# KiCad board A64-OlinuXino_Rev_D.kicad_pcb (continued)
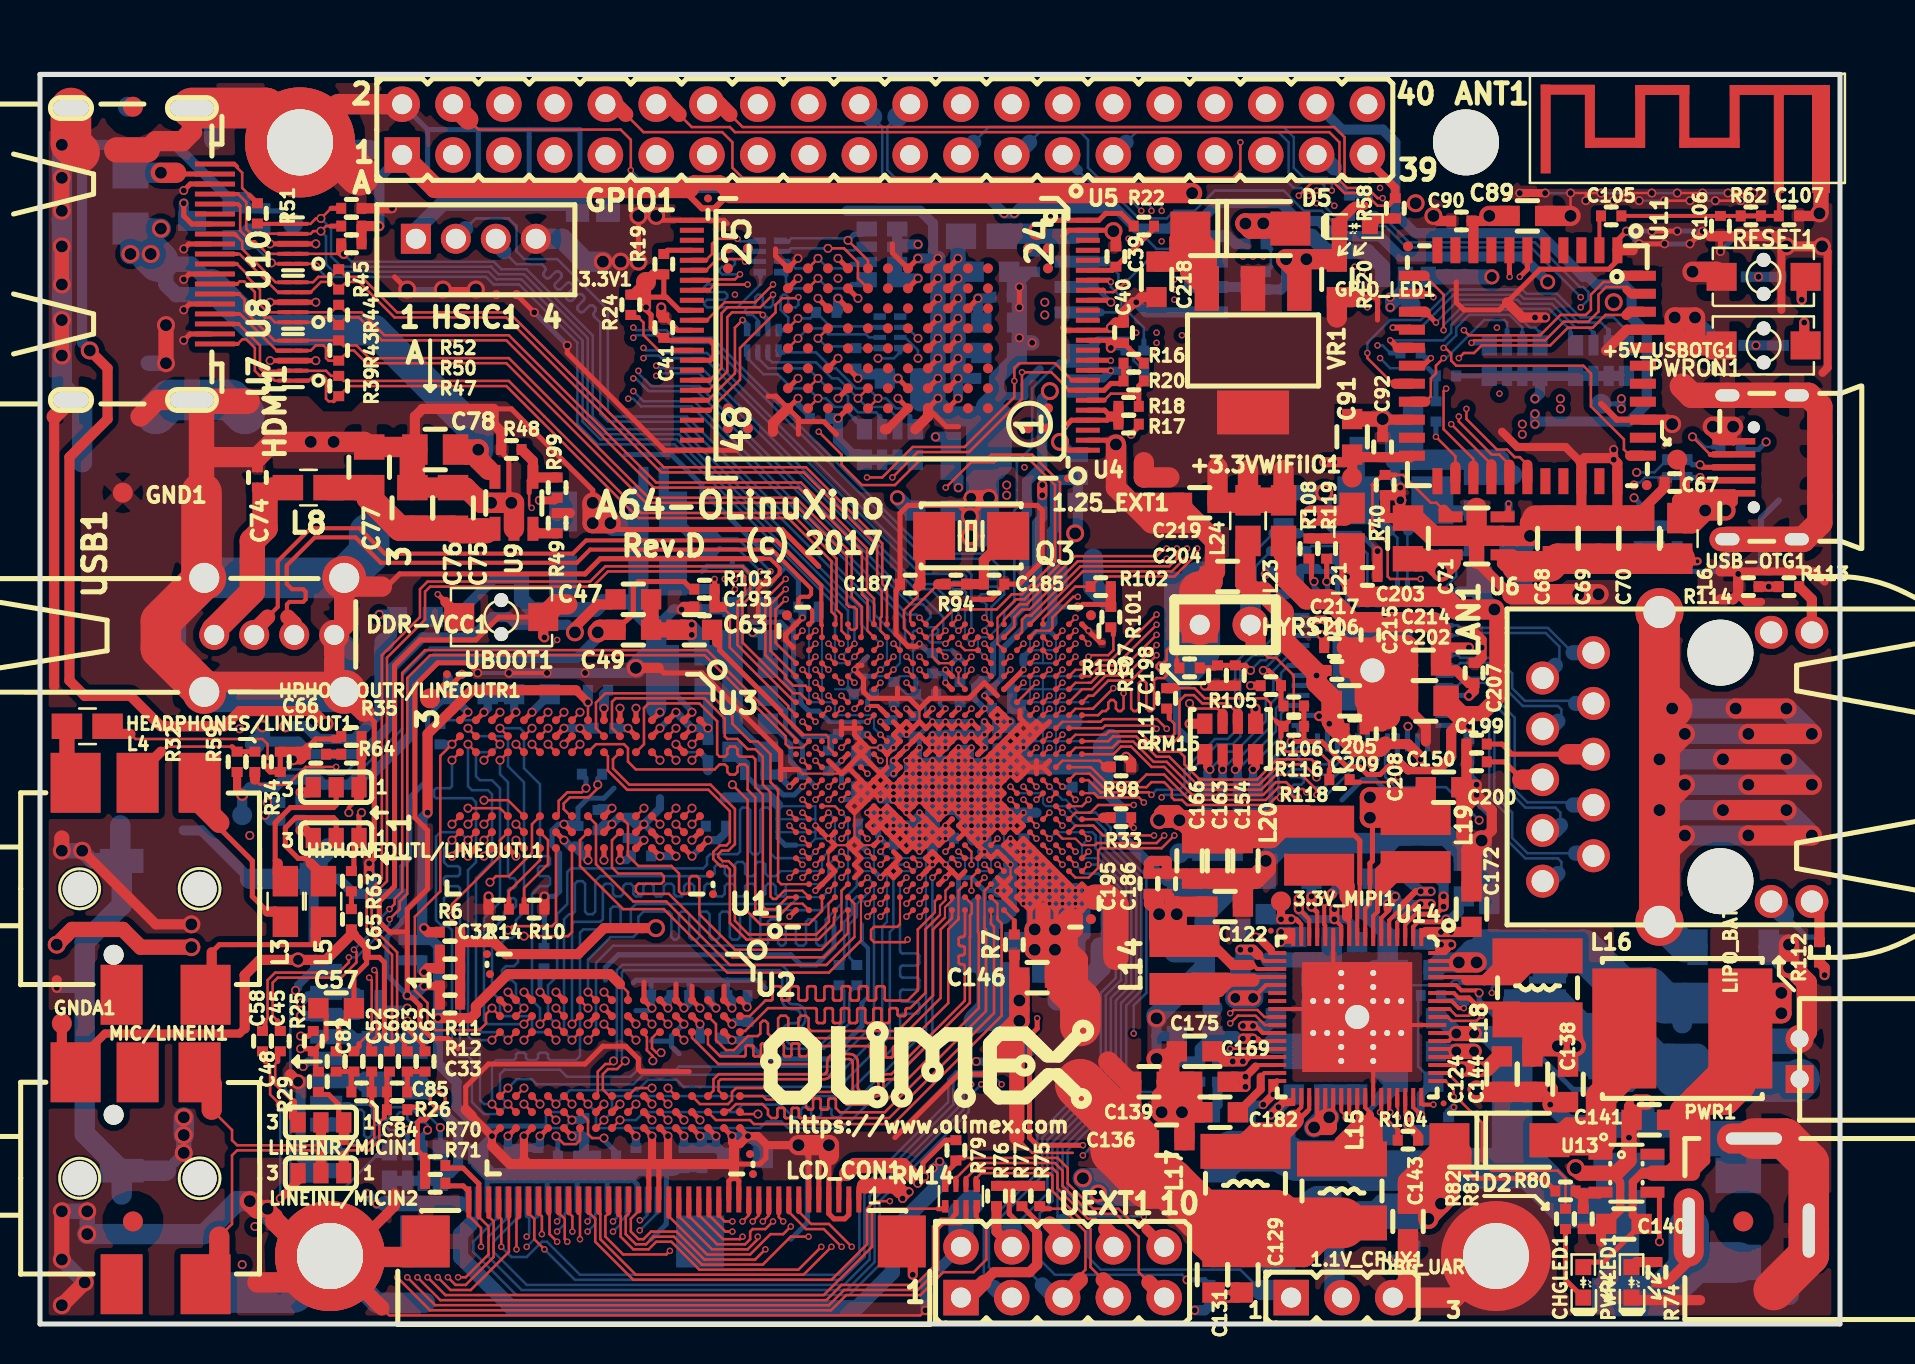
[diagram p0: board, top side]
## Routing (per net, layer and track width the routed paths; a pad name or vN(x,y) marks a point on that pad's centre or on a via; arc(x,y) is an arc through that point) (continued)
GNDA: length 113.9
  Top w0.254: 15.7,16.31 15.7,17.4 16.33,18.03 16.33,18.34 16.97,18.34 17.22,18.08 17.22,14.28 ; v3(18.36,15.16) 18.36,14.78 19.13,14.02 19.13,13.77 C62.2 ; C57.1 15.7,15.67 14.94,14.91 14.94,13.77 C48.1 ; 13.41,28.88 13.79,29.26 14.68,29.26 ; U1.A11 v5(37.47,26.88)
  Top w0.406: 1.53,12.81 3.25,14.53 9.98,14.53 10.24,14.78 ; 15.57,19.48 15.7,19.48 16.33,18.85 16.33,18.34 ; 14.68,29.26 14.94,29.26 R35.1 ; 13.41,28.88 13.16,28.63 C66.1 ; MIC/LINEIN1.2 1.78,12.81
  Top w0.508: 15.57,19.48 14.3,18.21 v1(12.9,18.21) 11,18.21 10.24,17.45 10.24,14.78 ; GNDA1.1 1.09,13.28 MIC/LINEIN1.2 ; v6(12.65,28.25) 13.03,28.25 C66.1 13.16,28.63 R34.1 ; 15.7,19.48 15.57,19.61 C65.1 ; C49.2 30.56,34.98 ; v3(32.59,34.98) 32.08,34.98 C63.2 32.08,34.47 v3(32.59,34.47) v3(32.59,34.98)
  Top w0.762: 30.56,34.98 C47.1 ; C63.2 C49.2
  In2.Cu w0.254: v3(18.36,15.16) 16.33,15.16 14.81,16.69 13.79,16.69 12.9,17.58 v1(12.9,18.21)
  In2.Cu w0.508: v6(12.65,28.25) 12.39,27.99 12.39,18.72 v1(12.9,18.21)
  In4.Cu w0.508: 31.76,34.98 32.27,34.47 v3(32.59,34.47) v3(32.59,34.98) 31.76,34.98 ; 31.76,34.98 31.13,35.61 25.48,35.61 23.19,33.33 18.87,33.33 17.98,32.44 17.98,30.9 16.34,29.26 13.69,29.26 12.68,28.25 v6(12.65,28.25)
  Bottom w0.254: 39.45,29.39 39.78,29.39 C46.2 ; 39.45,29.39 39.57,29.26 39.57,28.83 C50.1 ; 39.45,29.39 38.18,29.39 37.67,29.9 37.67,31.67 37.29,32.06 37.29,34.85 37.03,35.1 35.25,35.1 35,34.85 35,34.59 C54.1
  Bottom w0.305: C51.2 37.09,27.26 v5(37.47,26.88) ; 34.82,30.02 36.22,28.63 ; 36.14,28.63 C59.2 ; C53.2 34.75,30.02
  Bottom w0.508: C59.2 36.27,28.5 R27.2 37.07,27.48 C51.2 ; 32.59,34.34 33.22,33.71 R36.2 33.22,34.34 v3(32.59,34.98) v3(32.59,34.47) 32.59,34.34
  Bottom w1.016: R36.2 34.49,33.45 34.62,33.58 ; 34.62,33.58 C56.1 C55.2 C53.2 ; 34.62,33.58 C54.1
VBAT: length 28.2
  Top w0.203: v3(71.96,16.56) 71.83,16.69 71.07,16.69 70.8,16.95 U14.64
  Bottom w0.254: R78.2 79.58,11.73 76.66,11.73 75.01,13.39 75.01,14.53 74.24,15.29 72.85,15.29 71.96,16.18 v3(71.96,16.56)
  Bottom w1.016: C135.2 80.97,13.51 R78.2 81.36,13.51 82.88,13.51 83.39,13 83.39,12.37
  Bottom w1.524: R78.2 81.74,12.37
  Bottom w2.032: 81.74,12.37 83.39,12.37 83.64,12.12 C180.2 87.85,12.12 LIPO_BAT1.1
VCC-PC: length 96.3
  Top w0.254: v3(40.9,47.3) U5.L7 ; v3(37.9,52.3) U5.P3 ; U5.H3 v3(43.9,52.3) ; U5.L4 v3(39.9,51.3) ; U5.H8 v3(42.9,47.3) ; U5.L9 v3(39.9,45.3) ; U5.P8 v3(37.9,47.3) ; U5.L2 v3(39.9,53.3) ; U1.R16 v5(47.22,30.78)
  In2.Cu w0.305: 38.4,52.8 39.9,52.8
  In2.Cu w0.508: v3(50.24,51.1) 50.24,51.61 49.35,52.5 47.68,52.5 46.18,54 v3(43.9,54) 41.19,54 40.3,53.11 ; v3(50.24,51.1) v3(50.24,50.47) 50.88,50.47 ; v3(50.24,51.1) 50.88,50.47 ; 40.3,53.11 40.3,53.3 40.3,52.7 v3(39.9,52.3) v3(39.9,53.3) 40.49,53.3 40.3,53.11 ; 50.88,50.47 55.07,50.47 55.32,50.22 66.62,50.22 67.26,50.85 v3(67.51,50.85) v3(67.51,51.36) ; v3(37.9,52.3) 38.4,52.8
  In3.Cu w0.305: 40.4,47.3 40.4,47.2 40.4,47.3 ; 40.4,47.3 U5.L9 v3(39.9,45.3) ; 39.7,47.3 39.1,47.9 38.5,47.9 v3(37.9,47.3)
  In3.Cu w0.508: 39.7,47.3 v3(40.9,47.3) ; v3(39.9,53.3) v3(39.9,52.3) v3(39.9,51.3) 42.9,48.3 v3(42.9,47.3) ; v2(50.5,46.66) 51,47.17 51,49.71 v3(50.24,50.47)
  Bottom w0.305: 48.72,35.48 48.72,35.03 47.66,33.97 47.66,32.53 47.4,32.27 ; 47.4,32.27 47.37,32.27 ; 47.4,32.27 47.07,32.27 46.7,31.9 46.7,31.3 v5(47.22,30.78) 47.25,30.8 C34.2 ; v3(40.9,47.3) 40.9,47.69 R23.2
  Bottom w0.508: v3(42.9,47.3) 42.25,47.3 C36.2 42.03,47.5 40.9,47.5 ; v3(39.9,51.3) 39.9,50.67 R21.2 ; RM1.2.1 42.98,54 v3(43.9,54) ; RM1.2.1 RM1.1.1 ; RM1.2.1 RM1.3.1 RM1.4.1 42.93,52.3 v3(43.9,52.3) ; 68.02,51.36 67.89,51.23 67.89,51.36 v3(67.51,51.36) v3(67.51,50.85) 68.02,51.36 ; 68.02,51.36 68.15,51.36 VCC-PC1.1 ; v2(50.5,46.66) 50.11,46.28 50.11,42.9 49.35,42.14 49.35,40.56 49.22,40.44 49.22,35.99 48.72,35.48 ; RM4.1.1 RM4.2.1 RM4.3.1 RM4.4.1 40.96,43.5 40.6,43.5 39.9,44.2 v3(39.9,45.3) C35.2
  Bottom w0.762: 67.89,51.36 68.28,51.74 PWR_PC1.2
VCC-PE: length 90.3
  Top w0.203: v3(60.66,14.91) 60.78,14.91 61.14,14.55 U14.28
  Top w0.508: v3(60.66,14.91) v3(60.15,14.91)
  In2.Cu w0.508: v3(74.12,45.01) v3(74.12,44.5) 73.99,44.37 72.85,44.37 70.94,42.47 57.61,42.47 56.34,41.2 53.42,41.2 51.76,39.55 v2(51.76,39.55)
  In3.Cu w0.508: v3(60.15,14.91) v3(60.66,14.91) 61.54,15.8 61.54,17.32 63.83,19.61 64.97,19.61 65.38,20.02 65.38,23.9 64.97,24.31 64.97,27.36 65.23,27.61 65.23,30.28 64.59,30.91 64.59,33.96 64.85,34.21 64.85,34.98 66.62,36.75 66.62,37.9 66.12,38.41 66.12,38.91 66.62,39.42 67.51,39.42 69.67,41.58 70.68,41.58 73.6,44.5 v3(74.12,44.5) v3(74.12,45.01) 74.12,50.47 73.48,51.1 72.59,51.1 70.31,53.39 69.04,53.39 67.77,54.66 67.77,59.61 GPIO1.40
  Bottom w0.508: v3(60.15,14.91) v3(60.66,14.91) 61.42,14.91 C171.1 ; v2(51.76,39.55) 51.89,39.68 3.3V/VCC-PE:2.8V1.1
VCC-PL: length 104.7
  Top w0.203: 61.04,14.15 60.78,14.15 v3(60.66,14.28) 60.92,14.28 61.04,14.15 ; 61.04,14.15 U14.29
  Top w0.254: v5(42.68,30.78) U1.J16
  Top w0.508: v3(60.66,14.28) v3(60.15,14.28)
  In2.Cu w0.107: 43,33.7 43,32.4 43.53,32.4 43.65,32.53 43.65,33.71 43.65,33.7 ; 42.35,32.4 42.35,34.35
  In2.Cu w0.127: 43.65,33.71 43.4,33.96 43.13,33.96 43,33.83 43,33.7
  In2.Cu w0.254: 42.35,32.4 42.68,32.08 43,32.4 ; 43.13,33.96 43.13,34.22 42.68,34.67 42.35,34.67
  In2.Cu w0.305: 42.35,34.35 42.35,34.67
  In2.Cu w0.406: v5(42.68,30.78) 42.68,32.08
  In2.Cu w0.508: v3(76.02,45.77) v3(76.02,46.28) 75.39,46.91 74.14,46.91 73.13,45.9 72.34,45.9 70.18,43.74 56.84,43.74 55.57,42.47 50.5,42.47 49.35,43.61 44.53,43.61 43.64,42.72 43.64,40.82 42.75,39.93 42.75,35.48 42.49,35.23 42.49,34.67
  In3.Cu w0.508: v3(76.02,46.28) v3(76.02,45.77) 76.02,45.39 73.61,42.98 72.97,42.98 70.94,40.95 70.05,40.95 67.26,38.15 67.26,36.37 65.61,34.72 65.61,33.96 65.35,33.71 65.35,31.17 65.99,30.53 65.99,27.36 65.61,26.97 65.61,24.69 66.07,24.23 66.07,19.69 65.35,18.97 64.21,18.97 62.18,16.94 62.18,15.42 61.04,14.28 v3(60.66,14.28) v3(60.15,14.28)
  Bottom w0.254: C109.1 42.68,31.07 v5(42.68,30.78)
  Bottom w0.406: VCC-PL1.1 C173.1
  Bottom w0.508: R90.2 R88.2 57.99,13.77 C173.1 59.77,14.4 59.89,14.28 v3(60.15,14.28) v3(60.66,14.28)
VDDFB-CPUX: length 36.9
  Top w0.127: v3(65.35,10.34) 65.06,10.63 65.06,10.69 ; U1.T6 v5(47.88,24.28)
  Top w0.203: v3(65.35,10.34) 65.46,10.45 U14.42 ; U14.41 65.06,10.69
  Top w0.254: v5(49.86,15.29) 49.86,14.78 49.48,14.4 49.48,9.32 49.86,8.94 v5(52.15,8.94)
  In2.Cu w0.107: 48.2,24.6 48.85,24.6 ; 49.5,23.95 49.5,20.7
  In2.Cu w0.127: 48.85,24.6 49.5,23.95 ; v5(49.86,15.29) 49.86,17.58 48.97,18.47 48.97,19.99 49.5,20.52 49.5,20.7 ; v5(47.88,24.28) 48.2,24.6
  In3.Cu w0.254: v5(52.15,8.94) 64.34,8.94 65.35,9.96 v3(65.35,10.34)
/NAND Flash , eMMC, T-Card and Audio/HP-DET: length 41.9
  Top w0.127: v5(14.81,27.86) 13.28,27.86 12.39,26.97 11,26.97 10.74,27.23 ; U1.D11 v5(39.43,26.88)
  Top w0.508: R59.2 10.74,27.23
  In2.Cu w0.107: 38.18,30.78 38.29,30.67 38.72,30.67 39.43,29.97 v5(39.43,26.88)
  In2.Cu w0.127: 38.18,30.78 36.91,32.06 36.65,32.06 35.51,33.2 34.87,33.2 33.99,34.09 33.99,34.47 31.7,36.75 24.08,36.75 23.57,37.26 22.56,37.26 20.52,35.23 20.02,35.23 17.6,32.82 17.6,29.9 15.7,27.99 14.94,27.99 v5(14.81,27.86)
/NAND Flash , eMMC, T-Card and Audio/HPOUTFB: length 48.8
  Top w0.127: 4.52,29.52 4.78,29.26 11.12,29.26 11.38,29.01 v5(11.38,28.12) ; v5(38.78,26.22) U1.C10
  Top w0.254: v5(11.38,28.12) 11.38,27.74 11.51,27.61 R34.2
  Top w0.508: 4.52,29.52 3.76,29.52 L4.1
  In2.Cu w0.107: U1.C10 39.1,29.15
  In2.Cu w0.127: v5(38.78,26.22) U1.C10 ; 39.1,29.15 38.58,29.67 38.05,29.67 36.69,31.04 36.14,31.04 35,32.18 32.72,32.18 30.43,34.47 28.91,34.47 28.27,33.83 26.24,33.83 v5(25.86,34.21)
  Bottom w0.127: v5(11.38,28.12) 11.76,27.74 14.17,27.74 14.43,27.48 15.19,27.48 15.7,27.99 16.33,27.99 18.11,29.77 18.11,32.44 19.51,33.83 25.48,33.83 v5(25.86,34.21)
/NAND Flash , eMMC, T-Card and Audio/HPOUTL: length 33.8
  Top w0.127: v5(38.78,28.83) U1.C13
  Top w0.254: R63.2 15.7,22.78 15.7,24.05 HPHONEOUTL/LINEOUTL1.1 15.95,25.45 v3(16.08,25.58)
  In2.Cu w0.203: v3(16.08,25.58) 16.2,25.58 19.25,28.63 19.25,31.93 20.78,33.45 28.78,33.45 29.29,33.96 30.3,33.96 32.46,31.8 34.75,31.8 35.89,30.66 36.65,30.66 38.18,29.13 38.47,29.13 v5(38.78,28.83)
/NAND Flash , eMMC, T-Card and Audio/HPOUTR: length 35.9
  Top w0.127: v5(38.78,28.17) U1.C12
  Top w0.203: 15.95,26.34 15.44,25.83 v3(15.44,25.58)
  Top w0.406: HPHONEOUTR/LINEOUTR1.1 16.08,26.97 R64.2 R35.2
  Top w0.508: 15.95,26.34 HPHONEOUTR/LINEOUTR1.1
  In2.Cu w0.203: v3(15.44,25.58) 15.44,25.45 15.82,25.07 16.33,25.07 19.63,28.37 19.63,31.8 20.9,33.07 29.03,33.07 29.54,33.58 30.05,33.58 32.21,31.42 34.49,31.42 35.64,30.28 36.53,30.28 38.05,28.75 38.2,28.75 v5(38.78,28.17)
/NAND Flash , eMMC, T-Card and Audio/LINEINL: length 45.6
  Top w0.107: 38.12,28.83 37.47,28.83
  Top w0.127: 37.47,28.83 37.29,29.01 37.29,29.39 33.22,33.45 19.51,33.45 18.36,32.31 18.36,21.51 17.98,21.13 17.98,20.75 v5(17.47,20.24) ; U1.B14 38.12,28.83 ; v5(15.44,18.34) 15.44,18.08 14.94,17.58 11.76,17.58 11.38,17.2 11.38,15.29 11.25,15.16
  Top w0.254: 11.25,15.16 11.25,14.78 C58.2
  Bottom w0.127: v5(15.44,18.34) 15.82,18.34 17.47,19.99 v5(17.47,20.24)
/NAND Flash , eMMC, T-Card and Audio/LINEINR: length 44.8
  Top w0.127: v5(15.7,18.72) 15.82,18.59 15.82,18.08 15.06,17.32 11.89,17.32 11.63,17.07 11.63,15.42 11.89,15.16 ; v5(17.47,20.75) 17.73,21.01 17.73,21.26 18.11,21.64 18.11,32.56 19.25,33.71 33.35,33.71 37.8,29.26 U1.A14
  Top w0.254: 11.89,15.16 11.89,14.78 C45.2
  Bottom w0.127: v5(15.7,18.72) 17.09,20.12 17.09,20.37 v5(17.47,20.75)
/NAND Flash , eMMC, T-Card and Audio/LINEOUTL: length 42.9
  Top w0.127: U1.D16 v5(40.07,30.78)
  In2.Cu w0.107: 39.75,31.1 39.75,31.58 39.57,31.75 38.45,31.75
  In2.Cu w0.127: v5(40.07,30.78) 39.75,31.1 ; 38.45,31.75 37.26,32.94 37.03,32.94 35.89,34.09 35.38,34.09 35,34.47 35,34.72 32.21,37.52 24.97,37.52 24.33,38.15 22.17,38.15 20.14,36.12 19.51,36.12 16.71,33.33 16.71,30.91 15.19,29.39 11.51,29.39 10.74,28.63 10.74,25.96 v3(11.25,25.45)
  Bottom w0.508: v3(11.25,25.45) 11.51,25.2 C87.1
/NAND Flash , eMMC, T-Card and Audio/LINEOUTR: length 41
  Top w0.127: U1.C16 v5(39.43,30.78)
  In2.Cu w0.107: 38.43,31.27 38.6,31.1 39.1,31.1 v5(39.43,30.78)
  In2.Cu w0.127: 38.43,31.27 37.01,32.69 36.91,32.69 35.76,33.83 35.13,33.83 34.75,34.21 34.75,34.59 32.08,37.26 24.71,37.26 24.08,37.9 22.3,37.9 20.27,35.86 19.76,35.86 16.97,33.07 16.97,30.78 15.32,29.13 11.63,29.13 11,28.5 11,26.34 11.25,26.09 v3(11.38,26.09)
  Bottom w0.508: 11.76,26.09 v3(11.38,26.09) C86.1
/NAND Flash , eMMC, T-Card and Audio/MBIAS: length 53.8
  Top w0.127: U1.E14 v5(40.07,28.83)
  Top w0.254: v3(13.03,14.4) 13.41,14.4 R25.2
  In2.Cu w0.107: v5(40.07,28.83) 40.07,29.64 38.83,30.89 38.45,30.89 38.3,31.03
  In2.Cu w0.127: v3(13.03,14.4) 12.52,14.4 12.14,14.78 12.14,17.83 11.89,18.08 11.89,28.37 12.27,28.75 15.82,28.75 17.35,30.28 17.35,32.94 19.89,35.48 20.4,35.48 22.43,37.52 23.7,37.52 24.21,37.01 31.83,37.01 34.24,34.59 34.24,34.21 35,33.45 35.64,33.45 36.78,32.31 37.03,32.31 38.3,31.03
/NAND Flash , eMMC, T-Card and Audio/MICIN1N: length 47.5
  Top w0.127: v5(16.46,17.32) 16.59,17.2 16.59,14.66 15.95,14.02 ; U1.B16 v5(38.78,30.12)
  Top w0.254: 15.95,14.02 15.95,13.89 C82.2
  In2.Cu w0.107: 37.92,30.66 38.13,30.45 38.45,30.45 v5(38.78,30.12)
  In2.Cu w0.127: v5(16.46,17.32) 16.36,17.42 15.21,17.42 14.43,18.21 14.43,25.96 15.19,26.72 15.95,26.72 18.36,29.13 18.36,32.31 20.52,34.47 21.16,34.47 22.17,35.48 23.44,35.48 23.95,35.99 29.95,35.99 33.1,32.84 35.31,32.84 36.45,31.7 36.88,31.7 37.92,30.66
/NAND Flash , eMMC, T-Card and Audio/MICIN1P: length 46.2
  Top w0.127: v5(16.71,17.7) 16.84,17.58 16.84,14.4 16.46,14.02 ; U1.B15 v5(38.12,30.12)
  Top w0.254: 16.46,14.02 16.46,13.77 C52.2
  In2.Cu w0.127: v5(16.71,17.7) 15.32,17.7 14.71,18.31 14.71,25.83 15.32,26.44 16.08,26.44 18.64,29.01 18.64,32.18 20.65,34.19 21.28,34.19 22.3,35.2 23.57,35.2 24.08,35.71 29.82,35.71 32.97,32.56 35.18,32.56 36.32,31.42 36.78,31.42 38.07,30.12 v5(38.12,30.12)
/NAND Flash , eMMC, T-Card and Audio/MICIN2N: length 49.1
  Top w0.127: 18.24,14.02 17.86,14.4 17.86,18.59 16.59,19.86 16.59,21.39 17.35,22.15 17.35,33.33 19.25,35.23 19.25,36.63 19.51,36.88 27.64,36.88 28.4,37.64 35,37.64 35.25,37.39 35.25,36.5 34.87,36.12 34.87,33.96 37.73,31.1 U1.A17
  Top w0.254: 18.24,14.02 18.24,13.77 C83.2
/NAND Flash , eMMC, T-Card and Audio/MICIN2P: length 50.1
  Top w0.127: 35.13,37.9 35.51,37.52 35.51,36.37 35.13,35.99 35.13,34.09 37.67,31.55 38,31.55 U1.B17 ; 35.13,37.9 35.13,37.9 ; 35.13,37.9 28.27,37.9 27.51,37.13 19.38,37.13 19,36.75 19,35.36 17.09,33.45 17.09,22.28 16.33,21.51 16.33,19.74 17.6,18.47 17.6,14.02
  Top w0.254: 17.6,14.02 17.6,13.77 C60.2
/NAND Flash , eMMC, T-Card and Audio/NAND0-DQ0/SDC2-D0: length 34.7
  Top w0.127: 33.29,53.2 33.6,53.52 33.6,54.03 33.86,54.28 v5(34.87,54.28) ; U1.M21 v5(45.28,33.38)
  Top w0.254: U4.29 33.29,53.2
  In3.Cu w0.107: U1.M21 44.95,35
  In3.Cu w0.127: v5(34.87,54.28) 34.87,54.91 35,55.04 36.14,55.04 36.27,54.91 36.27,51.36 36.91,50.72 36.91,45.9 37.41,45.39 38.3,45.39 38.56,45.14 38.56,44.5 38.81,44.25 42.49,44.25 44.27,42.47 44.27,41.45 44.95,40.78 44.95,35 ; v5(45.28,33.38) U1.M21
  Bottom w0.127: v5(34.87,54.28) 35,54.15 35.51,54.15
  Bottom w0.254: 35.51,54.15 35.51,54.15 35.99,54.15
/NAND Flash , eMMC, T-Card and Audio/NAND0-DQ1/SDC2-D1: length 36.9
  Top w0.127: 33.3,52.7 33.86,53.26 35.13,53.26 v5(35.25,53.14) ; v5(43.97,32.72) U1.L19
  Top w0.254: U4.30 33.3,52.7
  In3.Cu w0.127: v5(43.97,32.72) 44.62,33.38 44.62,40.72 44.02,41.33 44.02,42.32 42.35,43.99 38.68,43.99 38.3,44.37 38.3,45.01 38.18,45.14 37.29,45.14 36.65,45.77 36.65,50.6 36.02,51.23 36.02,54.66 35.89,54.79 35.38,54.79 35.25,54.66 35.25,54.53 35.38,54.41 35.51,54.41 35.64,54.28 35.64,53.65 35.51,53.52 35.38,53.52 35.25,53.65 35.25,53.77 35.13,53.9 34.87,53.9 34.75,53.77 34.75,53.39 34.87,53.26 35.13,53.26 v5(35.25,53.14)
  Bottom w0.254: v5(35.25,53.14) 35.27,53.15 RM2.2.1
/NAND Flash , eMMC, T-Card and Audio/NAND0-DQ2/SDC2-D2: length 33.7
  Top w0.127: 33.43,52.2 33.48,52.25 34.75,52.25 v5(35,52.5) ; U1.K20 v5(43.32,33.38)
  Top w0.254: U4.31 33.43,52.2
  In3.Cu w0.127: v5(43.32,33.38) 43.32,35.54 43.26,35.61 43.26,40.06 42.24,41.07 42.24,43.23 41.99,43.48 37.54,43.48 36.14,44.88 36.14,49.84 35.76,50.22 35.76,52.25 35.51,52.5 v5(35,52.5)
  Bottom w0.127: v5(35,52.5) 34.11,52.5 33.99,52.63 33.99,52.76 34.11,52.88 34.62,52.88 34.75,53.01 34.75,53.14 34.62,53.26 34.11,53.26 33.99,53.39 33.99,53.52 34.12,53.65 35.51,53.65
  Bottom w0.254: 35.5,53.65 RM2.3.1
/NAND Flash , eMMC, T-Card and Audio/NAND0-DQ3/SDC2-D3: length 36.9
  Top w0.127: 33.44,51.7 33.73,51.99 v5(35.38,51.99) ; U1.H20 v5(42.68,33.38)
  Top w0.254: U4.32 33.44,51.7
  In3.Cu w0.107: 43,33.7 43,34.35
  In3.Cu w0.127: v5(35.38,51.99) 35.51,51.87 35.51,50.09 35.89,49.71 35.89,44.75 37.41,43.23 41.73,43.23 41.99,42.98 41.99,40.95 43,39.93 43,34.35 ; v5(42.68,33.38) 43,33.7
  Bottom w0.127: 36.02,52.38 36.02,51.99 34.87,50.85 33.35,50.85 33.22,50.98 33.22,51.1 33.35,51.23 34.24,51.23 34.37,51.36 34.37,51.49 34.24,51.61 33.35,51.61 33.22,51.74 33.22,51.87 33.35,51.99 v5(35.38,51.99)
  Bottom w0.254: 36.02,52.38 36.02,52.62 35.99,52.65
/NAND Flash , eMMC, T-Card and Audio/NAND0-DQ4/SDC2-D4: length 39.8
  Top w0.107: 45.93,32.08 v5(45.93,32.72)
  Top w0.127: U1.P18 45.93,32.08 ; v5(36.65,51.49) 36.02,50.85 34.37,50.85 34.08,50.55 34.08,47.8 33.48,47.2
  Top w0.254: 33.44,47.2 33.48,47.2 U4.41
  In3.Cu w0.107: 45.6,33.05 45.6,35 45.29,35.31
  In3.Cu w0.127: v5(36.65,51.49) 36.91,51.74 37.41,51.74 37.54,51.61 37.54,51.49 37.41,51.36 37.29,51.36 37.16,51.23 37.16,51.1 37.29,50.98 37.54,50.98 37.67,50.85 37.67,50.67 37.54,50.55 37.29,50.55 37.16,50.42 37.16,46.02 37.54,45.64 38.56,45.64 39.7,44.5 42.6,44.5 44.53,42.57 44.53,41.58 45.29,40.82 45.29,35.31 ; v5(45.93,32.72) 45.6,33.05
  Bottom w0.127: v5(36.65,51.49) 36.65,50.98 36.53,50.85 36.27,50.85 36.14,50.98 36.14,51.36 36.02,51.49 35.89,51.49 35.76,51.36 35.76,50.98 35.64,50.85 35.38,50.85 35.25,50.72 35.25,50.6 35.38,50.47 35.64,50.47 35.89,50.22 35.89,50.1 35.89,50.1
  Bottom w0.254: 35.89,50.11 RM3.2.1
/NAND Flash , eMMC, T-Card and Audio/NAND0-DQ5/SDC2-D5: length 37.6
  Top w0.127: v5(36.14,50.47) 36.02,50.6 34.6,50.6 34.37,50.36 34.37,47.64 33.43,46.7 ; U1.L20 v5(43.97,33.38)
  Top w0.254: U4.42 33.43,46.7
  In3.Cu w0.107: 44.3,33.7 44.3,35.65
  In3.Cu w0.127: v5(36.14,50.47) 36.4,50.22 36.4,45.01 36.53,44.88 37.16,44.88 37.29,44.76 37.29,44.25 37.41,44.12 37.54,44.12 37.67,44.25 37.67,44.76 37.79,44.88 37.92,44.88 38.05,44.76 38.05,43.87 38.18,43.74 42.24,43.74 43.76,42.22 43.76,40.69 43.89,40.56 44.15,40.56 44.27,40.44 44.27,40.31 44.15,40.18 43.89,40.18 43.76,40.06 43.76,39.93 43.89,39.8 44.15,39.8 44.27,39.67 44.27,39.55 44.15,39.42 43.89,39.42 43.76,39.29 43.76,39.17 43.89,39.04 44.15,39.04 44.27,38.91 44.27,38.79 44.15,38.66 43.89,38.66 43.76,38.53 43.76,38.41 43.89,38.28 44.15,38.28 44.27,38.15 44.27,38.02 44.15,37.9 43.89,37.9 43.76,37.77 43.76,37.64 43.89,37.52 44.15,37.52 44.27,37.39 44.27,37.26 44.15,37.13 43.89,37.13 43.76,37.01 43.76,36.88 43.89,36.75 44.15,36.75 44.27,36.63 44.27,36.5 44.15,36.37 43.89,36.37 43.76,36.25 43.76,36.12 43.89,35.99 44.15,35.99 44.3,35.84 44.3,35.65 ; v5(43.97,33.38) 44.3,33.7
  Bottom w0.254: v5(36.14,50.47) 36.39,50.22 RM3.3.1
/NAND Flash , eMMC, T-Card and Audio/NAND0-DQ6/SDC2-D6: length 32.9
  Top w0.127: 34.75,47.55 34.74,47.55 ; 34.75,47.55 34.75,49.84 v5(35.13,50.22) ; 34.75,47.55 33.4,46.2 ; U1.J21 v5(42.68,34.03)
  Top w0.254: U4.43 33.4,46.2
  In3.Cu w0.127: v5(42.68,34.03) 42.68,34.52 42.75,34.59 42.75,35.1 42.62,35.23 42.37,35.23 42.24,35.36 42.24,35.48 42.37,35.61 42.62,35.61 42.75,35.74 42.75,35.86 42.62,35.99 42.37,35.99 42.24,36.12 42.24,36.25 42.37,36.37 42.62,36.37 42.75,36.5 42.75,36.63 42.62,36.75 42.37,36.75 42.24,36.88 42.24,37.01 42.37,37.13 42.62,37.13 42.75,37.26 42.75,37.39 42.62,37.52 42.37,37.52 42.24,37.64 42.24,37.77 42.37,37.9 42.62,37.9 42.75,38.02 42.75,38.15 42.62,38.28 42.37,38.28 42.24,38.41 42.24,38.53 42.37,38.66 42.62,38.66 42.75,38.79 42.75,38.91 42.62,39.04 42.37,39.04 42.24,39.17 42.24,39.29 42.37,39.42 42.62,39.42 42.75,39.55 42.75,39.67 42.62,39.8 42.37,39.8 42.24,39.93 42.24,40.31 41.73,40.82 41.73,42.72 41.48,42.98 37.29,42.98 35.64,44.63 35.64,49.56 35.13,50.07 v5(35.13,50.22)
  Bottom w0.254: v5(35.13,50.22) 35.39,49.95 35.39,49.71
/NAND Flash , eMMC, T-Card and Audio/NAND0-DQ7/SDC2-D7: length 39.5
  Top w0.107: 46.25,33.7 U1.R21
  Top w0.127: 46.25,33.7 v5(45.93,34.03) ; 33.48,45.7 35,47.23 35,48.82 36.78,50.6 36.78,50.98 37.11,51.31 37.87,51.31 v5(37.92,51.36)
  Top w0.254: 33.39,45.7 33.48,45.7 U4.44
  In3.Cu w0.107: 46.25,34.35 46.25,35.65
  In3.Cu w0.127: v5(37.92,51.36) 37.92,50.98 38.43,50.47 38.43,48.44 38.3,48.31 38.05,48.31 37.92,48.44 37.92,48.69 37.79,48.82 37.54,48.82 37.41,48.69 37.41,46.15 37.67,45.9 38.68,45.9 39.83,44.76 42.73,44.76 44.78,42.7 44.78,41.71 45.54,40.95 45.54,36.36 46.25,35.65 ; v5(45.93,34.03) 46.25,34.35
  Bottom w0.127: 37.29,49.71 37.41,49.84 37.41,50.34 37.03,50.72 37.03,51.36 37.16,51.49 37.29,51.49 37.41,51.36 37.41,50.98 37.54,50.85 37.79,50.85 37.92,50.98 v5(37.92,51.36)
  Bottom w0.254: 37.29,49.71 36.9,49.71 36.89,49.71
/NAND Flash , eMMC, T-Card and Audio/NAND0-DQS/SDC2-RST: length 41.4
  Top w0.107: 44.62,33.38 44.62,34.67 ; U1.N20 44.95,33.05
  Top w0.127: 44.95,33.05 44.62,33.38 ; 33.34,50.2 34.24,51.1 35.76,51.1 v5(36.65,51.99) ; v5(45.29,41.83) 46.56,43.1 47.7,43.1 47.83,43.23 49.48,43.23 50.75,41.96 50.75,38.15 49.1,36.5 48.59,36.5 47.83,35.74 45.69,35.74 44.62,34.67
  Top w0.254: U4.35 33.34,50.2
  In3.Cu w0.127: v5(36.65,51.99) 37.62,51.99 37.81,51.8 38,51.8 38.4,51.4 38.4,51.01 41.11,48.3 v3(41.9,48.3) 42.4,47.8 42.4,45.5 45.29,42.6 v5(45.29,41.83)
  Bottom w0.127: v3(41.9,48.3) 42.7,48.3 43,48.6
  Bottom w0.254: 43,48.6 43,48.74 43.01,48.75
/NAND Flash , eMMC, T-Card and Audio/NAND0-RB0/SDC2-CMD: length 33.7
  Top w0.127: v5(43.32,32.72) U1.K19 ; v5(42.62,42.34) 43.89,43.61 46.45,43.61 49.1,46.26 v5(49.1,47.6) 50.57,47.6 51.47,46.7
  Top w0.254: 51.47,46.7 U4.7 53.21,46.7 53.54,47.04 54.05,47.04 R20.1 R16.1
  In2.Cu w0.127: v3(43.9,49.3) 44.4,48.8 46.18,48.8 47.38,47.6 v5(49.1,47.6)
  In3.Cu w0.107: 43.65,33.05 43.65,35.65
  In3.Cu w0.127: v5(42.62,42.34) 42.75,42.34 43.51,41.58 43.51,35.79 43.65,35.65 ; v5(43.32,32.72) 43.65,33.05
  Bottom w0.127: 43.35,49.85 v3(43.9,49.3)
  Bottom w0.254: RM5.2.1 43.35,49.85
/NAND Flash , eMMC, T-Card and Audio/NAND0-RE/SDC2-CLK: length 32.1
  Top w0.127: v5(41.35,42.34) 42.11,42.34 43.64,43.87 46.23,43.87 48.72,46.35 v5(48.72,47.17) 48.72,47.82 48.96,48.06 50.75,48.06 51.6,47.2 ; U1.G20 v5(42.03,33.38)
  Top w0.254: U4.8 51.6,47.2
  In2.Cu w0.127: v3(43.9,48.3) 44.4,47.8 46.3,47.8 46.94,47.17 v5(48.72,47.17)
  In3.Cu w0.107: 42.35,33.7 42.35,34.34
  In3.Cu w0.127: 42.35,34.34 42.35,34.74 42.24,34.85 41.99,34.85 41.86,34.98 41.86,39.93 41.22,40.56 41.22,41.71 40.97,41.96 40.97,42.22 41.1,42.34 v5(41.35,42.34) ; v5(42.03,33.38) 42.35,33.7
  Bottom w0.127: v3(43.9,48.3) 43.9,48.7 43.25,49.35 RM5.3.1
/NAND Flash , eMMC, T-Card and Audio/SDC0-CLK: length 1.5
  Top w0.127: 53.16,25.32 53.09,25.25 U1.AC8
  Top w0.508: 53.54,25.32 53.16,25.32
/NAND Flash , eMMC, T-Card and Audio/SDC0-CMD: length 65.6
  Top w0.127: U1.W9 v5(49.18,26.22)
  In2.Cu w0.107: 49.18,26.05 50.28,24.94 50.5,24.94
  In2.Cu w0.127: v3(13.03,15.42) 13.41,15.42 13.54,15.55 13.54,16.05 13.67,16.18 13.79,16.18 13.92,16.05 13.92,15.55 14.05,15.42 14.17,15.42 14.3,15.55 14.3,16.05 14.43,16.18 14.55,16.18 14.68,16.05 14.68,15.67 18.36,11.99 20.14,11.99 20.65,11.48 20.65,11.1 21.28,10.47 21.28,9.7 22.68,8.31 39.95,8.31 43.26,11.61 48.21,11.61 49.99,13.39 50.62,13.39 51.51,14.28 51.51,16.56 52.78,17.83 52.78,22.64 52.78,24.44 52.53,24.69 52.02,24.69 51.89,24.56 50.88,24.56 50.5,24.94 ; v5(49.18,26.22) 49.18,26.05
  Bottom w0.508: R31.1 15.87,15.47 MICRO_SD1.3 13.59,15.47 13.54,15.42 v3(13.03,15.42)
/NAND Flash , eMMC, T-Card and Audio/SDC0-D0: length 64.1
  Top w0.127: U1.W13 v5(49.82,28.83)
  In2.Cu w0.107: 49.5,27.2 49.5,26.07 50.32,25.25 51.45,25.25
  In2.Cu w0.127: 51.45,25.25 52.35,25.25 53.03,24.56 53.03,22.53 53.03,22.53 53.03,17.7 51.76,16.43 51.76,14.15 50.75,13.13 50.11,13.13 48.34,11.35 43.38,11.35 40.08,8.05 22.43,8.05 21.41,9.07 20.52,9.07 20.4,9.19 20.4,9.32 20.52,9.45 20.78,9.45 20.9,9.58 20.9,10.21 20.78,10.34 20.14,10.34 20.02,10.21 v3(20.02,9.83) ; v5(49.82,28.83) 49.82,27.81 49.5,27.48 49.5,27.2
  Bottom w0.127: 15.44,10.97 16.46,10.97 16.59,10.85 16.59,10.34 16.71,10.21 17.35,10.21 17.47,10.34 17.47,10.72 17.6,10.85 18.49,10.85 19,10.34 19.51,10.34 v3(20.02,9.83)
  Bottom w0.254: 14.4,10.97 15.44,10.97 15.32,10.97 ; RM7.1.2 v3(20.02,9.83)
  Bottom w0.508: MICRO_SD1.7 14.4,10.97
/NAND Flash , eMMC, T-Card and Audio/SDC0-D1: length 64
  Top w0.127: U1.AB10 v5(51.78,26.22)
  In2.Cu w0.127: 51.76,26.21 53.29,24.69 53.29,22.38 53.29,17.58 52.02,16.31 52.02,14.02 50.88,12.88 50.24,12.88 48.46,11.1 43.51,11.1 40.21,7.8 21.03,7.8 20.9,7.92 20.9,8.05 21.03,8.18 21.54,8.18 21.67,8.31 21.67,8.43 21.54,8.56 20.27,8.56 20.02,8.81 20.02,9.19 19.89,9.32 19.63,9.32 19.38,9.58 v3(19.38,9.7)
  Bottom w0.127: v3(19.38,9.7) 19.38,9.96 19.25,10.08 18.54,10.08 18.36,10.26 18.36,10.47 18.24,10.59 17.98,10.59 17.86,10.47 17.86,9.83 17.73,9.7 17.47,9.7 17.22,9.96 16.71,9.96 16.59,9.83 16.59,9.45 16.46,9.32 16.33,9.32 16.2,9.45 16.2,10.59 16.08,10.72 15.95,10.72 15.82,10.59 15.82,9.07 15.7,8.94 15.57,8.94 15.44,9.07 15.44,10.08 15.32,10.21
  Bottom w0.254: v3(19.38,9.7) 19.13,9.45 RM7.2.2 ; 15.32,10.21 14.55,10.21 MICRO_SD1.8
/NAND Flash , eMMC, T-Card and Audio/SDC0-D2: length 80.2
  Top w0.107: U1.AB9 52.1,25.9
  Top w0.127: 52.1,25.9 v5(52.43,26.22)
  In2.Cu w0.127: v3(12.78,16.69) 12.52,16.43 12.52,15.16 12.78,14.91 14.94,14.91 18.62,11.23 18.62,10.47 18.87,10.21 18.87,9.58 20.9,7.54 40.34,7.54 43.64,10.85 48.59,10.85 50.37,12.62 51,12.62 52.27,13.89 52.27,16.18 53.54,17.45 53.54,22.28 53.54,22.28 53.54,25.07 52.43,26.19 v5(52.43,26.22)
  Bottom w0.127: v3(12.78,16.69) 12.52,16.43 12.52,12.75 12.27,12.5 12.27,11.73 12.52,11.48 12.52,7.04 12.78,6.78 15.19,6.78 16.84,8.43
  Bottom w0.254: 16.84,8.43 17.22,8.43 RM7.4.2
  Bottom w0.406: v3(12.78,16.69) 12.9,16.81 12.9,16.94 13.63,17.67 MICRO_SD1.1
/NAND Flash , eMMC, T-Card and Audio/SDC0-D3: length 66
  Top w0.127: U1.AB6 v5(51.78,23.62)
  In3.Cu w0.107: 52.1,23.95 52.75,23.95
  In3.Cu w0.127: 52.75,23.95 53.65,23.95 53.92,23.67 53.92,18.78 49.04,13.89 46.56,13.89 45.8,13.13 45.54,13.13 43.89,11.48 43.13,11.48 39.45,7.8 33.99,7.8 32.97,6.78 21.67,6.78 18.87,9.58 18.87,9.96 18.62,10.21 17.98,10.21 17.86,10.08 17.86,9.83 17.73,9.7 17.47,9.7 17.35,9.83 17.35,9.96 17.22,10.08 16.92,10.08 16.79,9.96 16.79,9.72 16.63,9.56 14.19,9.56 13.92,9.83 13.92,12.83 13.41,13.34 12.7,13.34 12.52,13.51 12.52,15.55 v3(13.03,16.05) ; v5(51.78,23.62) 52.1,23.95
  Bottom w0.254: MICRO_SD1.2 13.67,16.57
  Bottom w0.406: v3(13.03,16.05) 13.41,16.43 13.54,16.43 13.67,16.57
  Bottom w0.508: R30.1 15.82,16.57 MICRO_SD1.2